# Altium PCB Dahlia Carrier Board.PcbDoc (part 1 of 10) (continued)
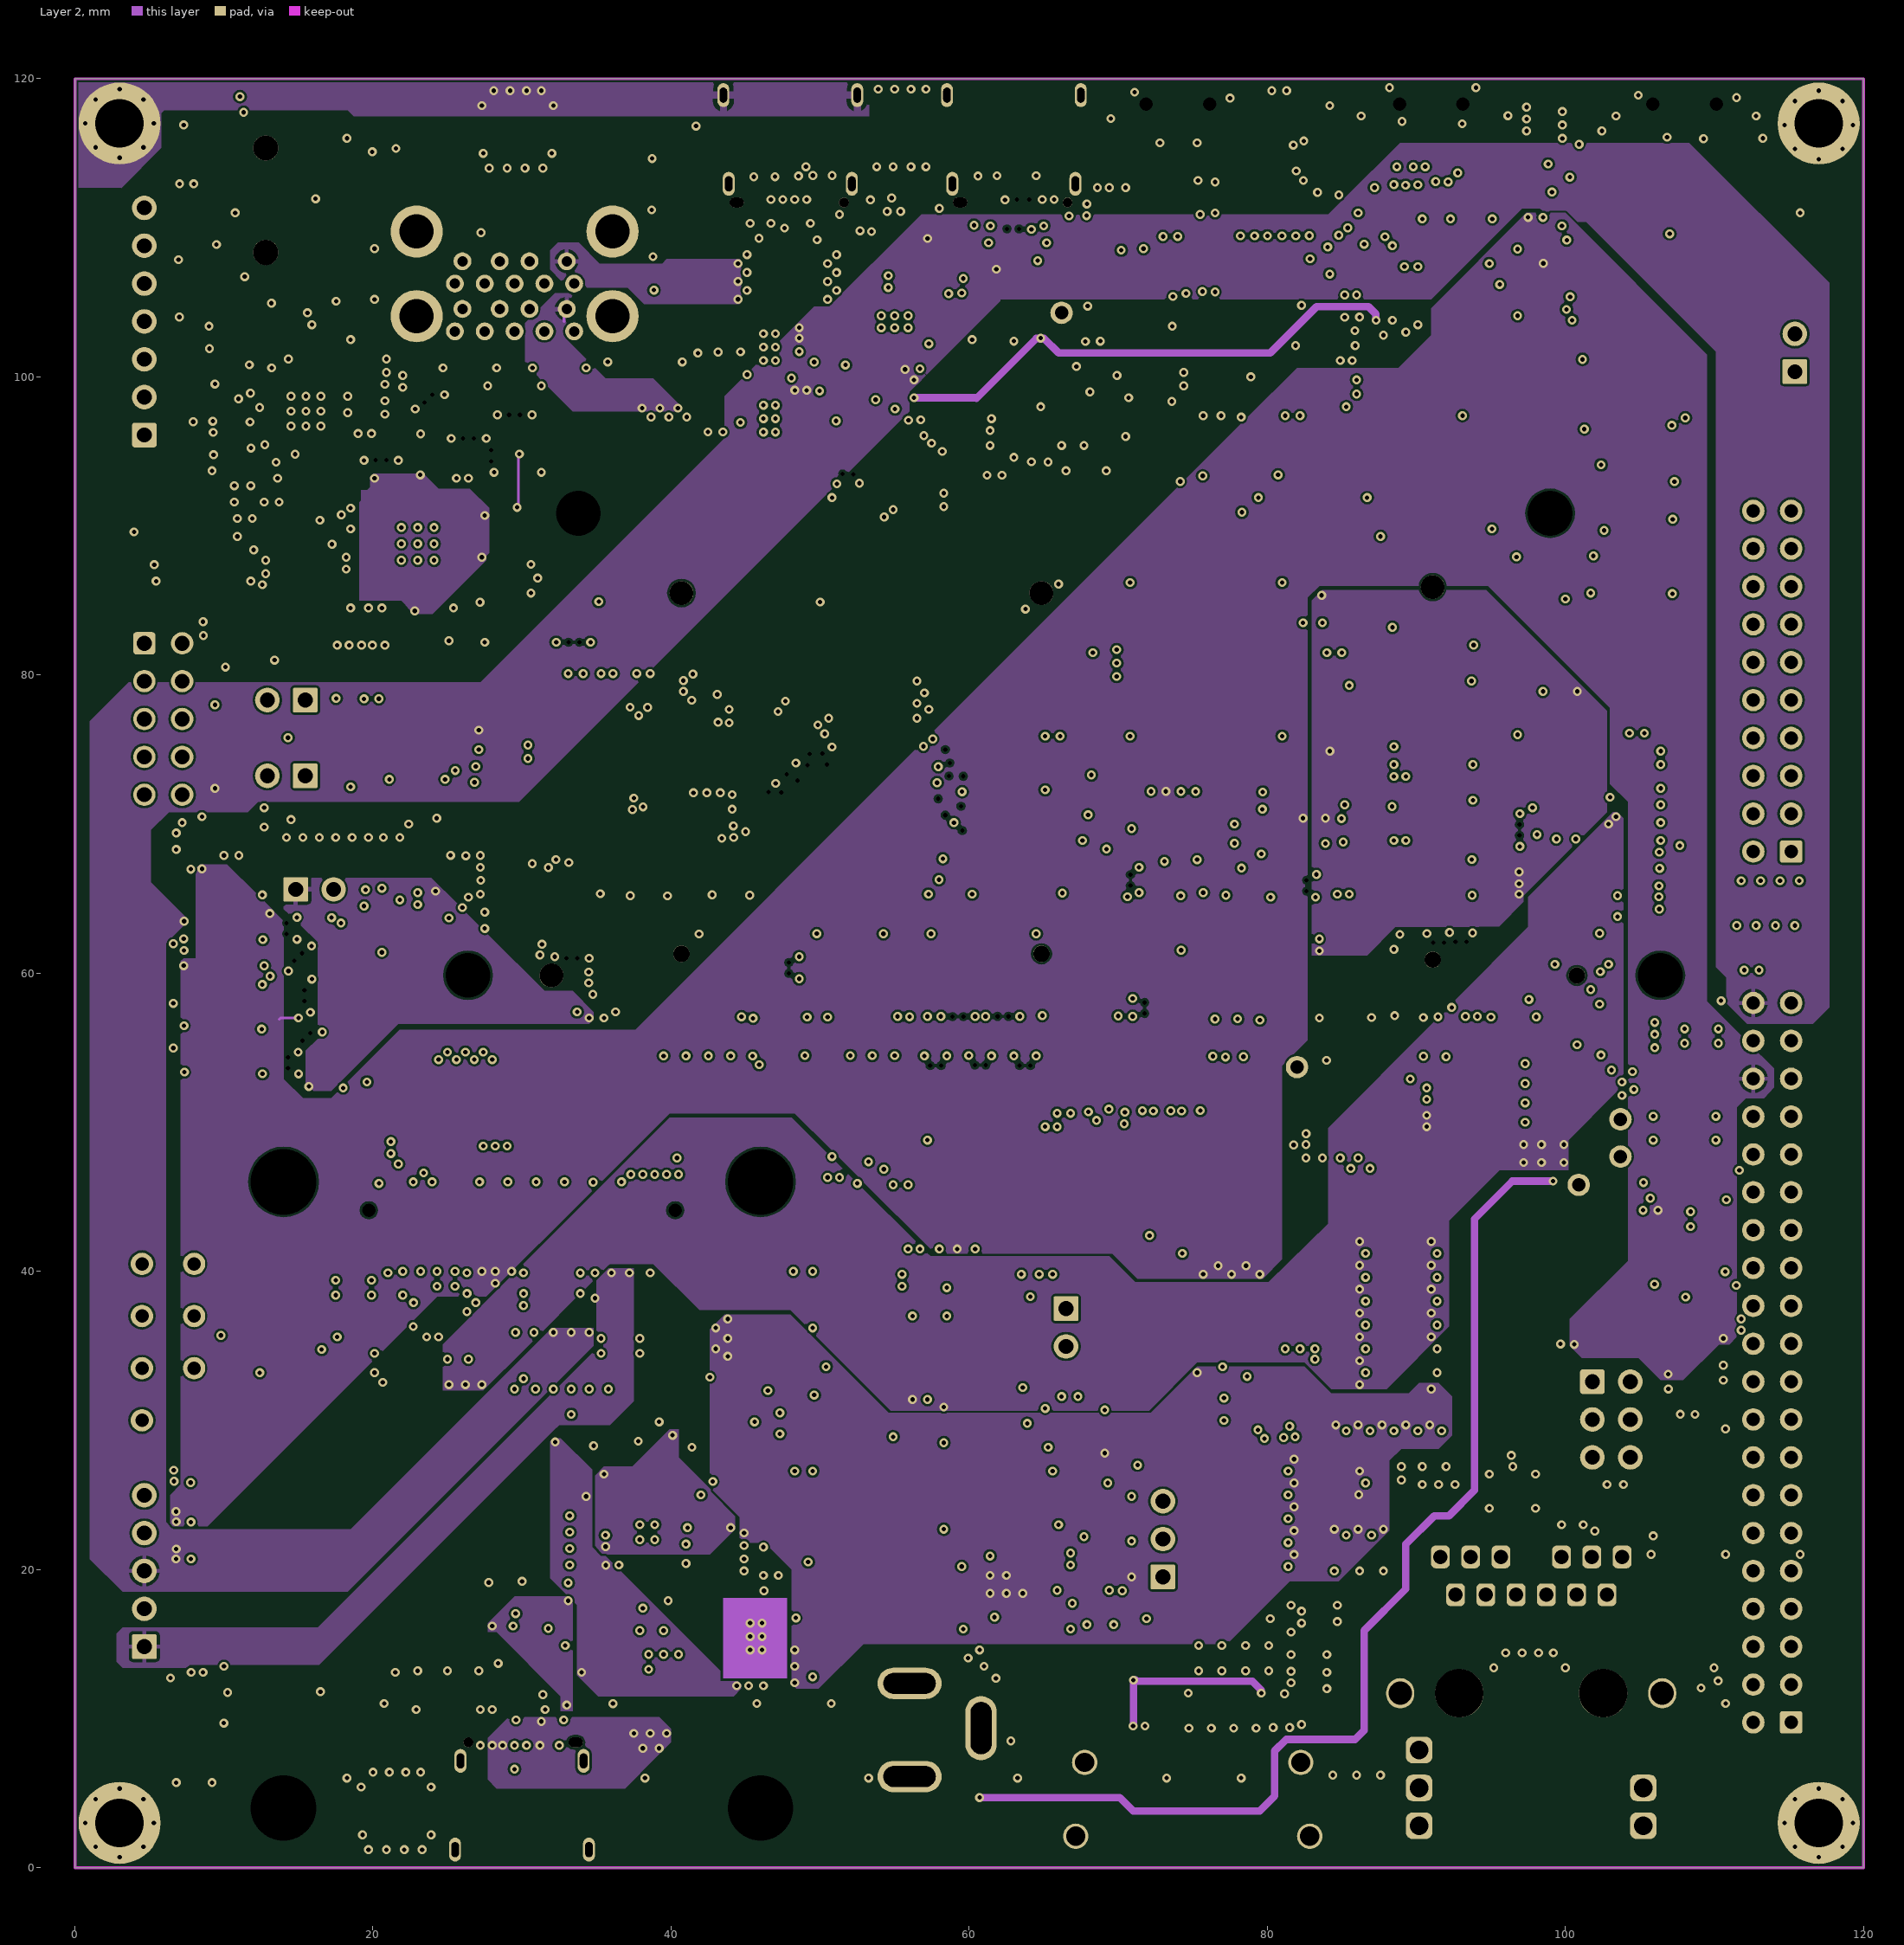
[diagram p4: Layer 2]
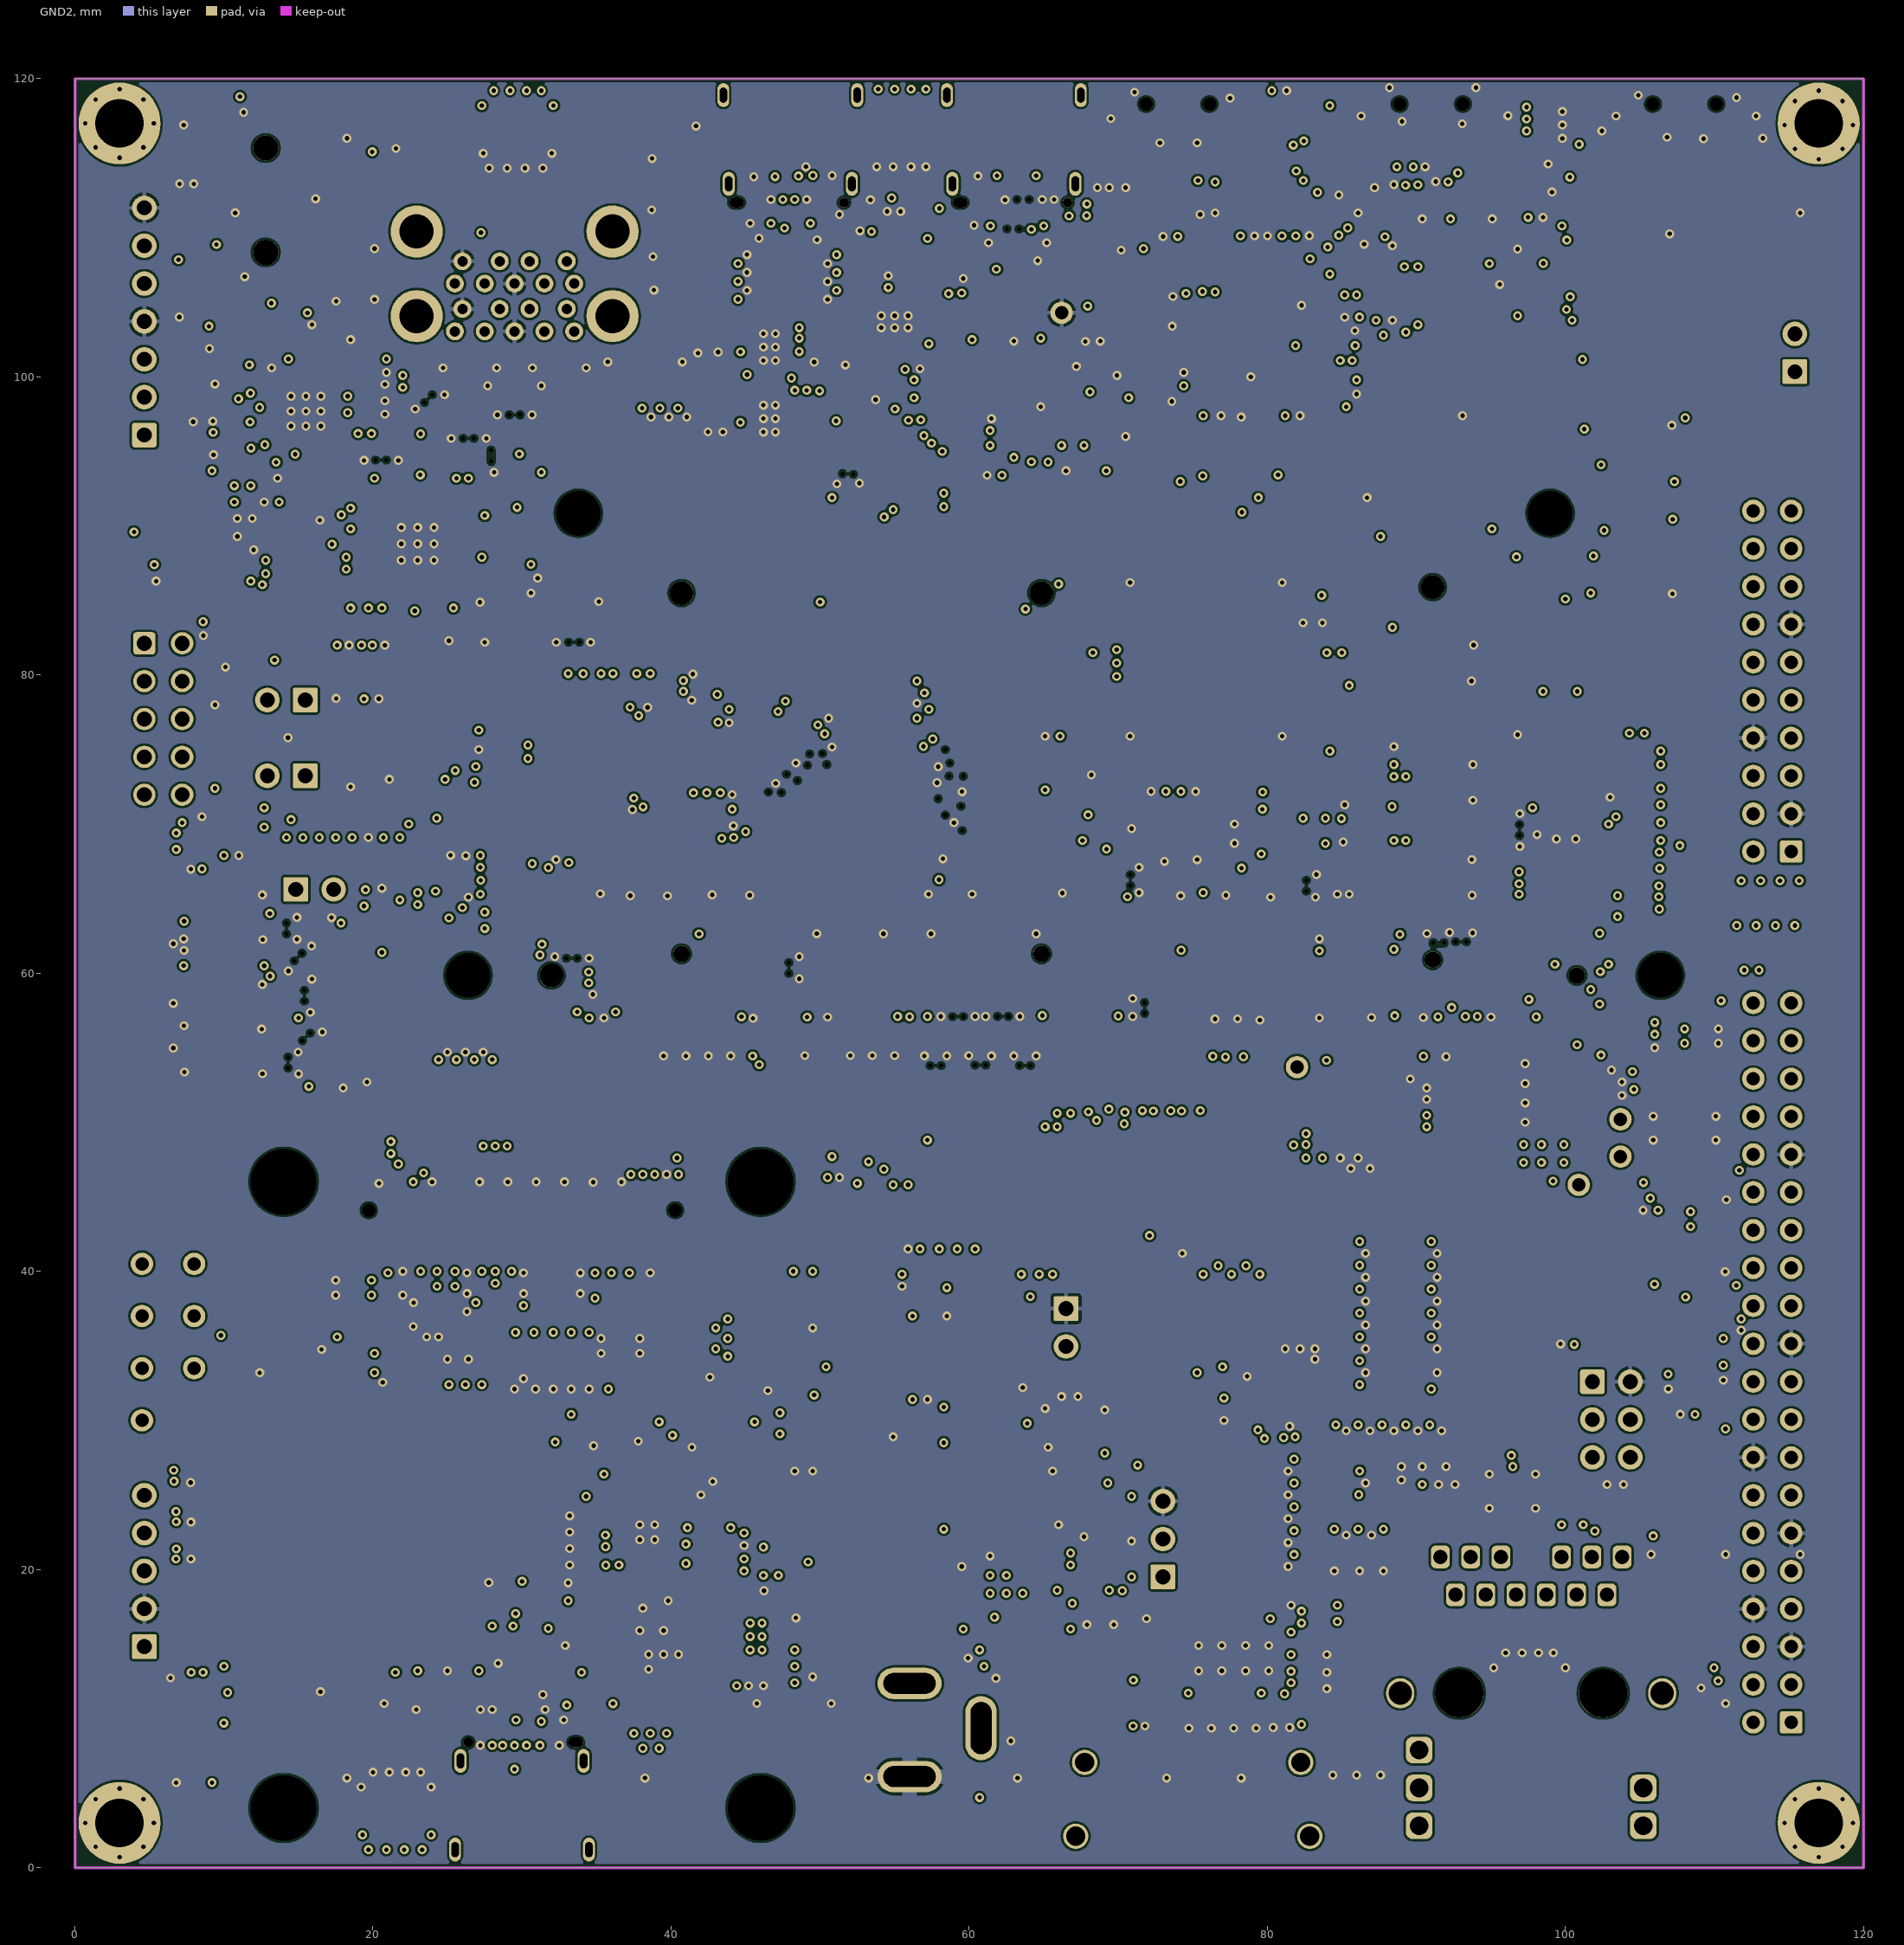
[diagram p5: GND2]

## Layer stack, top to bottom
Top Solder: solder mask 0.02, Solder Resist, Dk 3.8
Top Layer: signal copper 0.035
Dielectric1: prepreg 0.103, 3313, Dk 4.19
GND: signal copper 0.028
Dielectric 1: core 0.508, FR-4, Dk 4.47
Layer 1: signal copper 0.028
Dielectric 2: prepreg 0.077, 1080, Dk 3.91
Dielectric 3: prepreg 0.077, 1080, Dk 3.91
Layer 2: signal copper 0.028
Dielectric2: core 0.508, FR-4, Dk 4.47
GND2: signal copper 0.028
Dielectric3: prepreg 0.103, 3313, Dk 4.19
Bottom Layer: signal copper 0.035
Bottom Solder: solder mask 0.02, Solder Resist, Dk 3.8

## Board outline
0,0 0,120 120,120 120,0

## Design rules (kind name [scope] priority, off if disabled: settings)
Clearance Clearance_Keepout_ExcluDedComponents [OnLayer('Keep-Out Layer') vs IsPad] p1: gap=0 ignorepadtopadclearanceinfootprint=FALSE
Clearance Clearance_AdapterHoles [InComponentClass('AdapterHoles')] p2: gap=0.15 ignorepadtopadclearanceinfootprint=FALSE except(0.5: SMDPad-THPad THPad-THPad THPad-Fill THPad-Poly THPad-Region)
Clearance ClearancePlaneInner [(OnLayer('GND') OR OnLayer('GND2') OR OnLayer('Layer 1') OR OnLayer('Layer 2'))] p3: gap=0.15 ignorepadtopadclearanceinfootprint=FALSE
Clearance [All] p4: gap=0.127 ignorepadtopadclearanceinfootprint=FALSE except(0.15: Arc-SMDPad Arc-THPad Track-SMDPad Track-THPad)
ComponentClearance [All] p1: gap=0.19 collisioncheckmode=3 verticalgap=0.2 showdistances=FALSE
DiffPairsRouting DiffPairsRouting_55_85 [(InDifferentialPairClass('PCIe'))] p1: maxlimit=0.367 minlimit=0.13 mostfreqgap=0.367 toplayer_maxgap=0.19 toplayer_prefgap=0.13 toplayer_minwidth=0.175 toplayer_maxwidth=0.175 toplayer_prefwidth=0.175 bottomlayer_maxgap=0.19 bottomlayer_prefgap=0.13 bottomlayer_minwidth=0.175 bottomlayer_maxwidth=0.175 bottomlayer_prefwidth=0.175 impedanceprofiledriven=TRUE impedanceprofileid={73FFAC64-1E0F-449B-A42D-ECEF022BBB21} impedanceprofilevalue=85.000000 maxuncoupledlength=10
DiffPairsRouting DiffPairsRouting_55_100 [(InDifferentialPairClass('DSI') or InDifferentialPairClass('CSI') or InDifferentialPairClass('LAN') or InDifferentialPairClass('HDMI'))] p2: maxlimit=0.324 minlimit=0.21 mostfreqgap=0.324 toplayer_maxgap=0.21 toplayer_prefgap=0.21 toplayer_minwidth=0.144 toplayer_maxwidth=0.144 toplayer_prefwidth=0.144 bottomlayer_maxgap=0.21 bottomlayer_prefgap=0.21 bottomlayer_minwidth=0.144 bottomlayer_maxwidth=0.144 bottomlayer_prefwidth=0.144 impedanceprofiledriven=TRUE impedanceprofileid={D3ED0427-65E6-49D4-ABF4-D7A6FDA24636} impedanceprofilevalue=100.000000 maxuncoupledlength=10
DiffPairsRouting DiffPairsRouting_50_90 [(InDifferentialPairClass('USB'))] p3: maxlimit=0.51 minlimit=0.19 mostfreqgap=0.51 toplayer_maxgap=0.19 toplayer_prefgap=0.19 toplayer_minwidth=0.175 toplayer_maxwidth=0.175 toplayer_prefwidth=0.175 bottomlayer_maxgap=0.19 bottomlayer_prefgap=0.19 bottomlayer_minwidth=0.175 bottomlayer_maxwidth=0.175 bottomlayer_prefwidth=0.175 impedanceprofiledriven=TRUE impedanceprofileid={7855E2BA-D15D-41C1-9DEF-1F1256880486} impedanceprofilevalue=90.000000 maxuncoupledlength=10
DiffPairsRouting [All] p4: maxlimit=0.127 minlimit=0.127 mostfreqgap=0.127 toplayer_minwidth=0.127 toplayer_maxwidth=0.127 toplayer_prefwidth=0.127 midlayer1_minwidth=0.127 midlayer1_maxwidth=0.127 midlayer1_prefwidth=0.127 midlayer2_minwidth=0.127 midlayer2_maxwidth=0.127 midlayer2_prefwidth=0.127 midlayer3_minwidth=0.127 midlayer3_maxwidth=0.127 midlayer3_prefwidth=0.127 midlayer4_minwidth=0.127 midlayer4_maxwidth=0.127 midlayer4_prefwidth=0.127 bottomlayer_minwidth=0.127 bottomlayer_maxwidth=0.127 bottomlayer_prefwidth=0.127 maxuncoupledlength=10
FabricationTestPointUsage TestPointUsage [All] p1: valid=0 allowmultiple=FALSE
FabricationTestpoint Testpoint [All] p1: side=3 testpointundercomponent=TRUE minsize=1.016 maxsize=2.54 preferedsize=1.524 minholesize=0 maxholesize=1.016 preferedholesize=0.813 testpointgrid=0.025 allowsidetop=TRUE allowsidebottom=TRUE usegrid=TRUE gridtolerance=0
Height [All] p1: minheight=0 maxheight=40 prefheight=12.7
HoleSize [All] p1: absolutevalues=TRUE maxlimit=4.8 minlimit=0.025 maxpercent=80.000 minpercent=20.000
MinimumSolderMaskSliver [All] p1: minsoldermaskwidth=0
NetAntennae [All] p1: netantennaetolerance=2
PlaneClearance [All] p1: clearance=0.25
PlaneConnect PlaneConnect_Direct [IsVia] p1: planeconnectstyle=Direct reliefexpansion=0.508 reliefentries=4 reliefconductorwidth=0.254 reliefairgap=0.254
PlaneConnect [All] p2: planeconnectstyle=Relief reliefexpansion=0.3 reliefentries=4 reliefconductorwidth=0.3 reliefairgap=0.15
PolygonConnect PolygonConnect_PowerConnector [HasFootprint('T_RAPC722X') AND InNet('GND')] p1: connectstyle=Relief reliefconductorwidth=1 reliefentries=4 polygonreliefangle="90 Angle" airgapwidth=0.2
PolygonConnect PolygonConnect_ChassisConnectors [HasFootprint('CON-AMPHENOL-12401598E4#2A') OR HasFootprint('T_FCI_10029449-111RLF') OR HasFootprint('CON-LINK-PP-LPJK7436A98NL')] p2: connectstyle=Relief reliefconductorwidth=0.5 reliefentries=4 polygonreliefangle="90 Angle" airgapwidth=0.3
PolygonConnect PolygonConnect_Chassis [InNet('GND_CHASSIS') vs InNet('GND_CHASSIS')] p3: connectstyle=Direct reliefconductorwidth=0.254 reliefentries=4 polygonreliefangle="90 Angle" airgapwidth=0.254
PolygonConnect PolygonConnect_AdapterHoles [InComponentClass('AdapterHoles')] p4: connectstyle=Direct reliefconductorwidth=0.254 reliefentries=4 polygonreliefangle="90 Angle" airgapwidth=0.254
PolygonConnect PolygonConnect_TH_Pin [IsThruPin] p5: connectstyle=Relief reliefconductorwidth=0.3 reliefentries=4 polygonreliefangle="90 Angle" airgapwidth=0.2
PolygonConnect [All] p6: thpad.connectstyle=Relief thpad.reliefconductorwidth=0.3 thpad.reliefentries=4 thpad.polygonreliefangle="90 Angle" thpad.airgapwidth=0.254 smdpad.connectstyle=Direct smdpad.reliefconductorwidth=0.3 smdpad.reliefentries=4 smdpad.polygonreliefangle="90 Angle" smdpad.airgapwidth=0.254 via.connectstyle=Direct via.reliefconductorwidth=0.3 via.reliefentries=4 via.polygonreliefangle="90 Angle" via.airgapwidth=0.254
RoutingVias [All] p1: holewidth=0.3 width=0.6 viastyle="Through Hole" minholewidth=0.3 minwidth=0.6 maxholewidth=0.3 maxwidth=0.6
SilkToSilkClearance [All] p1: silktosilkclearance=0.05
SilkToSolderMaskClearance SilkToSolderMaskClearance_FootprintException [HasFootprint('T_PANASONIC_EXC14CH120U')] p1: minsilkscreentomaskgap=0.02 clearancetoexposedcopper=TRUE
SilkToSolderMaskClearance SilkscreenOverComponentPads [IsPad] p2: minsilkscreentomaskgap=0.05 clearancetoexposedcopper=TRUE
SolderMaskExpansion [All] p1: expansion=0 istentingtop=FALSE
Width "Single Ended_50" [InNetClass('50Ohm')] p1: maxlimit=0.502 minlimit=0.175 preferedwidth=0.502 toplayer_maxwidth=0.175 toplayer_prefwidth=0.175 bottomlayer_maxwidth=0.175 bottomlayer_prefwidth=0.175 impedanceprofiledriven=TRUE impedanceprofileid={A9CB0D10-C472-4C7D-AF8D-DAC318967260} impedanceprofilevalue=50.000000 minimp=50.000000 maximp=50.000000 favimp=50.000000
Width "Single Ended_55" [InNetClass('55Ohm')] p2: maxlimit=0.501 minlimit=0.144 preferedwidth=0.411 impedanceprofiledriven=TRUE impedanceprofileid={961E7AA0-BB9D-44D8-92FA-3C2F482F4EBE} impedanceprofilevalue=55.000000 minimp=50.000000 maximp=50.000000 favimp=50.000000
Width Power [InNet('1.8V__CAN_1_PWR_EN')] p3: maxlimit=3 minlimit=0.2 preferedwidth=0.3
Width [All] p4: maxlimit=1 minlimit=0.15 preferedwidth=0.502 toplayer_prefwidth=0.175 bottomlayer_prefwidth=0.175 impedanceprofiledriven=TRUE impedanceprofileid={A9CB0D10-C472-4C7D-AF8D-DAC318967260} impedanceprofilevalue=50.000000 minimp=50.000000 maximp=50.000000 favimp=50.000000
18 further rules are at their usual default settings.

## Classes and differential pairs
differential pair class DSI: DSI_1_CLK DSI_1_D0 DSI_1_D1 DSI_1_D2 DSI_1_D3
net class 50Ohm: ADC_1 ADC_2 ADC_3 ADC_4 CSI_1_MCLK FTDI_JTAG_TCK FTDI_JTAG_TDI FTDI_JTAG_TDO FTDI_JTAG_TMS FTDI_JTAG_TRST# GPIO_1 GPIO_2 GPIO_3 GPIO_4 GPIO_5_CSI GPIO_5_R GPIO_6_CSI GPIO_6_R GPIO_7_CSI GPIO_7_R GPIO_8_CSI GPIO_8_R HDMI_1_CEC HDMI_1_HPD I2S_1_BCLK I2S_1_D_IN I2S_1_D_OUT I2S_1_MCLK I2S_1_SYNC I2S_2_BCLK I2S_2_D_IN I2S_2_D_OUT I2S_2_SYNC JTAG_1_TCK JTAG_1_TDI JTAG_1_TDO JTAG_1_TMS JTAG_1_TRST# PWM_1 PWM_2 QSPI_1_CLK QSPI_1_CS2# QSPI_1_CS# QSPI_1_DQS QSPI_1_IO0 QSPI_1_IO1 QSPI_1_IO2 QSPI_1_IO3 SD_1_CD# SD_1_CLK SD_1_CMD SD_1_D0 SD_1_D1 SD_1_D2 SD_1_D3 SD_1_PWR_EN SODIMM_2_M SODIMM_4_M SODIMM_6_M SODIMM_8_M SODIMM_15_M SODIMM_16_M SODIMM_30_M SODIMM_32_M SODIMM_34_M SODIMM_36_M SODIMM_38_M SODIMM_42_M SODIMM_44_M SODIMM_46_M SODIMM_48_M SODIMM_52_M SODIMM_54_M SODIMM_56_M SODIMM_58_M SODIMM_60_M SODIMM_61_M SODIMM_62_M SODIMM_63_M SODIMM_64_M SODIMM_66_M SODIMM_70_M SODIMM_72_M SODIMM_74_M SODIMM_76_M SODIMM_78_M SODIMM_80_M SODIMM_82_M SODIMM_84_M SODIMM_91_M SODIMM_129_M SODIMM_131_M SODIMM_133_M SODIMM_135_M SODIMM_137_M SODIMM_139_M SODIMM_141_M SODIMM_143_M SODIMM_196_M SODIMM_198_M SODIMM_200_M SODIMM_202_M SODIMM_206_M SODIMM_208_M SODIMM_210_M SODIMM_212_M SODIMM_216_M SODIMM_218_M SODIMM_220_M SODIMM_222_M SPI_1_CLK SPI_1_CS SPI_1_MISO SPI_1_MOSI UART_1_CTS UART_1_RTS UART_1_RXD UART_1_TXD UART_2_CTS UART_2_RTS UART_2_RXD UART_2_TXD UART_3_RXD_R UART_3_TXD_R UART_4_RXD_R UART_4_TXD_R
differential pair class HDMI: HDMI_1_TXC HDMI_1_TXC_CON HDMI_1_TXC_L HDMI_1_TXD0 HDMI_1_TXD0_CON HDMI_1_TXD0_L HDMI_1_TXD1 HDMI_1_TXD1_CON HDMI_1_TXD1_L HDMI_1_TXD2 HDMI_1_TXD2_CON HDMI_1_TXD2_L
net class HDMI_CTRL[0..3]: HDMI_CTRL0 HDMI_CTRL1 HDMI_CTRL2 HDMI_CTRL3
net class HDMI1[0..7]: HDMI10 HDMI11 HDMI12 HDMI13 HDMI14 HDMI15 HDMI16 HDMI17
component class HDMI: C7 C8 C9 C10 C151 C152 C185 D22 IC2 L12 L38 L39 L40 R6 R9 R10 R11 R12 R96 R347 R348 RA11 X21
net class USBH4[0..1]: USBH40 USBH41
net class USBH3[0..6]: USBH30 USBH31 USBH32 USBH33 USBH34 USBH35 USBH36
net class USBH2[0..6]: USBH20 USBH21 USBH22 USBH23 USBH24 USBH25 USBH26
net class UART_1_2[0..7]: UART_1_20 UART_1_21 UART_1_22 UART_1_23 UART_1_24 UART_1_25 UART_1_26 UART_1_27
net class SD_1[0..9]: SD_10 SD_11 SD_12 SD_13 SD_14 SD_15 SD_16 SD_17 SD_18 SD_19
net class PCIE1[0..5]: PCIE10 PCIE11 PCIE12 PCIE13 PCIE14 PCIE15
net class I2S_2[0..3]: I2S_20 I2S_21 I2S_22 I2S_23
net class I2S_1[0..4]: I2S_10 I2S_11 I2S_12 I2S_13 I2S_14
net class I2C_1[0..1]: I2C_10 I2C_11
net class CSI_1[0..9]: CSI_10 CSI_11 CSI_12 CSI_13 CSI_14 CSI_15 CSI_16 CSI_17 CSI_18 CSI_19
net class CAN_2[0..1]: CAN_20 CAN_21
net class CAN_1[0..1]: CAN_10 CAN_11
net class DSI_1[0..9]: DSI_10 DSI_11 DSI_12 DSI_13 DSI_14 DSI_15 DSI_16 DSI_17 DSI_18 DSI_19
net class SYS_PWR_CTRL[0..2]: SYS_PWR_CTRL0 SYS_PWR_CTRL1 SYS_PWR_CTRL2
component class Power_Poly: C81 C83 C84 C85 C86 C87 C89 C90 C111 C118 C119 C120 C121 C122 C123 L14 L16 L17 L18 L19 L20 L48 R135 R167 T11 T15
differential pair class CSI: CSI_1_CLK CSI_1_CLK_CON CSI_1_D0 CSI_1_D0_CON CSI_1_D1 CSI_1_D1_CON CSI_1_D2 CSI_1_D2_CON CSI_1_D3 CSI_1_D3_CON DSI_1_CLK_CON DSI_1_D0_CON DSI_1_D1_CON DSI_1_D2_CON DSI_1_D3_CON
differential pair class USB: USB_1_D USB_1_D_CON USB_2_D USB_2_SSRX USB_2_SSRX_C USB_2_SSTX USB_DBG USB_DBG_CON USBH2_D USBH2_D_CON USBH2_SSRX USBH2_SSRX_CON USBH2_SSTX USBH2_SSTX_C USBH2_SSTX_CON USBH3_D USBH3_D_CON USBH3_SSRX USBH3_SSRX_CON USBH3_SSTX USBH3_SSTX_C USBH3_SSTX_CON USBH4_D
differential pair class PCIe: PCIE_1_CLK PCIE_1_L0_RX PCIE_1_L0_TX
differential pair class LAN: ETH_1_MDI0 ETH_1_MDI1 ETH_1_MDI2 ETH_1_MDI3 ETH_2_MDI0 ETH_2_MDI1 ETH_2_MDI2 ETH_2_MDI3
net class Power: DCDC1_VCC
net class FTDI_JTAG_3.3V[0..4]: FTDI_JTAG_3.3V0 FTDI_JTAG_3.3V1 FTDI_JTAG_3.3V2 FTDI_JTAG_3.3V3 FTDI_JTAG_3.3V4
net class FTDI_JTAG[0..4]: FTDI_JTAG0 FTDI_JTAG1 FTDI_JTAG2 FTDI_JTAG3 FTDI_JTAG4
net class FTDI_GPIO_3.3V[0..3]: FTDI_GPIO_3.3V0 FTDI_GPIO_3.3V1 FTDI_GPIO_3.3V2 FTDI_GPIO_3.3V3
net class USB_SOM[0..7]: USB_SOM0 USB_SOM1 USB_SOM2 USB_SOM3 USB_SOM4 USB_SOM5 USB_SOM6 USB_SOM7
net class USB_OTG[0..5]: USB_OTG0 USB_OTG1 USB_OTG2 USB_OTG3 USB_OTG4 USB_OTG5
net class SYSTEM_CTRL[0..8]: SYSTEM_CTRL0 SYSTEM_CTRL1 SYSTEM_CTRL2 SYSTEM_CTRL3 SYSTEM_CTRL4 SYSTEM_CTRL5 SYSTEM_CTRL6 SYSTEM_CTRL7 SYSTEM_CTRL8
net class SPI[0..3]: SPI0 SPI1 SPI2 SPI3
net class SOM_CAM_1_CTRL[0..2]: SOM_CAM_1_CTRL0 SOM_CAM_1_CTRL1 SOM_CAM_1_CTRL2
net class PWM[0..1]: PWM0 PWM1
net class JTAG[0..4]: JTAG0 JTAG1 JTAG2 JTAG3 JTAG4
net class I2C_2_DSI[0..1]: I2C_2_DSI0 I2C_2_DSI1
net class FTDI_DEBUG_UART[0..3]: ETH_2_MDI0 ETH_2_MDI1 ETH_2_MDI2 ETH_2_MDI3 ETH_2_MDI4 ETH_2_MDI5 ETH_2_MDI6 ETH_2_MDI7 ETH_2_MDI8 ETH_2_MDI9
net class ETH_1_MDI[0..9]: ETH_1_MDI0 ETH_1_MDI1 ETH_1_MDI2 ETH_1_MDI3 ETH_1_MDI4 ETH_1_MDI5 ETH_1_MDI6 ETH_1_MDI7 ETH_1_MDI8 ETH_1_MDI9
net class EE[0..2]: EE0 EE1 EE2
net class DSI_CTRL[0..2]: DSI_CTRL0 DSI_CTRL1 DSI_CTRL2
component class USB_Debug: C196 C197 C198 C199 C200 C201 C202 C203 C204 C205 C206 C207 C208 C209 C210 C212 C213 C214 C215 C216 C217 C218 C219 C220 C221 C222 C223 C224 D48 D49 D50 D51 D52 IC33 IC34 IC35 IC36 IC37 IC38 JP6 L43 L44 L45 L47 LED23 LED24 LED25 LED26 LED27 LED28 OSC2 R245 R293 R294 R295 R296 R297 R298 R300 R301 R302 R303 R306 R307 R308 R309 R310 R311 R314 R315 R316 R317 R318 R319 R320 R321 R322 R323 R324 R325 R326 R327 R328 R330 R331 RA18 T37 X18
component class EEPROM: C187 C188 C299 IC30 IC50 R88 R117 R263 R264 R265 R266 R267 R268 R269 R406 R407 R408 R409 R410 R411 TP1
component class MIPI-DSI: C232 C233 C234 C235 C236 R289 R290 R291 R292 RA13 RA14 X17
component class PWM_QSPI_SPI_ADC_UART_GPIO_I2C: RA7 RA8 RA15 RA16 RA17 RA19 RA20 RA23 TP18
component class SDCard: C96 C97 C98 C99 C100 D28 D29 IC17 LED7 R66 R127 R128 R351 R352 R353 R354 RA5 RA6 T40 TP21 X7
component class Power_Supply: BAT1 C61 C95 C104 C105 C106 C107 C108 C109 C110 C111 C112 C113 C114 C115 C116 C117 C118 C119 C120 C121 C122 C123 C124 C125 C126 C127 C128 C129 C130 C131 C132 C225 C226 C227 C247 C248 C249 C250 C251 C252 C253 C254 C255 C256 C257 C258 C259 C260 C261 C262 C263 C264 D24 D26 D30 D31 D32 D33 IC18 IC19 IC20 IC21 IC22 IC23 IC24 JP4 L20 L48 LED8 LED10 LED11 LED12 LED13 LED14 LED15 LED16 LED17 LED22 LED29 R44 R48 R77 R81 R108 R134 R135 R136 R137 R138 R139 R140 R141 R142 R143 R144 R145 R146 R149 R150 R152 R153 R154 R155 R156 R157 R158 R159 R160 R161 R162 R163 R164 R165 R166 R167 R169 R170 R171 R173 R175 R176 R177 R178 R179 R180 R181 R182 R183 R184 R185 R186 R187 R188 R189 R190 R191 R192 R193 R194 R195 R196 T8 T17 T18 T19 T20 T21 T23 T25 T26 T27 T29 TP4 TP5 TP6 TP7 TP8 TP10 TP11 TP12 TP19 TP20 X6 X9 X10
component class Power_Switch: C57 C62 C63 C64 C65 C66 C67 C68 C69 C70 C71 C72 C73 C74 C76 C77 C78 C79 C80 C81 C82 C83 C84 C85 C86 C87 C88 C92 C93 C94 C101 C102 C103 C240 C241 C242 C243 C244 C245 C246 C265 C266 C267 C268 C269 C270 C271 C272 D20 D21 D23 D25 D27 IC9 IC10 IC11 IC12 IC13 IC14 IC15 JP3 JP7 L14 L15 L16 L18 L19 L21 LED1 LED6 R67 R68 R69 R70 R71 R72 R73 R74 R75 R76 R78 R79 R80 R82 R83 R84 R85 R86 R87 R89 R90 R91 R92 R93 R94 R95 R97 R99 R100 R101 R102 R103 R105 R109 R112 R113 R114 R115 R116 R118 R119 R120 R121 R123 R124 R125 R126 R147 R247 RA3 RA4 SW1 SW2 SW3 SW4 SW5 SW6 T6 T9 T10 T11 T12 T13 T14 T15 T16 X5
component class CAN: C1 C2 C3 C4 C6 IC1 JP1 JP2 R1 R3 R4 R5 R7 R8 R43 R56 R57 R60 RA1 T2 X2
component class MIPI-CSI: C189 C190 C191 C192 C193 C194 C195 D42 D43 D44 D45 D46 D47 IC31 IC32 L33 L34 L35 L36 L37 R270 R271 R272 R273 R274 R275 R278 R279 R280 R281 R282 R283 R284 R285 R287 RA22 X16
component class Audio: C153 C154 C155 C156 C157 C158 C159 C161 C162 C164 C165 C166 C167 C168 C169 C170 C171 C172 C173 C174 C175 C176 C177 C178 C179 C180 C181 C182 C183 C184 C229 D39 D40 D41 IC27 L23 L24 L25 L26 L27 L28 L29 L30 L31 R104 R242 R243 R249 R250 R251 R252 R253 R254 R255 R256 R257 RA9 RA10 X14 X15
component class PCI_Express: C139 C140 C141 C142 C143 C144 C145 C146 C147 C148 C149 C150 C230 C231 D38 IC25 IC26 L3 L8 L22 LED18 LED19 LED20 LED21 R2 R208 R209 R210 R211 R212 R213 R214 R217 R219 R220 R221 R222 R223 R224 R225 R226 R227 R228 R229 R230 R231 R232 R233 R234 R235 R236 R237 R238 R239 T31 T32 T33 T34 X12 X13
component class Extension: R333 R334 R335 R336 R339 R340 R341 R342 R343 R344 R345 R346 X19 X20
component class USB_Connectors: C11 C12 C13 C14 C15 C16 C17 C18 C19 C20 C21 C22 C23 C24 C25 C26 C58 C186 C237 C238 C239 C273 C302 C303 C304 C305 C306 C307 C308 C309 C310 C311 C312 D1 D2 D3 D4 D5 D6 D7 D8 D9 D10 D11 D12 D13 D14 D15 D16 D17 IC3 IC4 IC5 IC6 L1 L2 L4 L5 L6 L7 L9 L10 L11 L13 L50 L51 L52 L53 L54 L56 L57 L58 L59 L60 L61 L63 L64 L65 LED2 LED3 LED4 R13 R14 R15 R16 R17 R18 R19 R20 R21 R22 R23 R24 R25 R26 R27 R28 R29 R65 R98 R111 R350 TP13 TP14 TP15 TP16 TP17 X3 X4
component class USB_Hub: C27 C28 C29 C30 C31 C32 C33 C34 C35 C36 C37 C38 C39 C40 C41 C42 C43 C44 C45 C46 C47 C48 C49 C50 C51 C52 C53 C54 C55 C56 C59 C60 C89 C90 C91 D18 D19 IC7 IC8 IC16 L17 LED5 OSC1 R30 R31 R32 R33 R34 R35 R36 R37 R38 R39 R40 R41 R42 R45 R46 R47 R49 R50 R51 R52 R53 R54 R55 R58 R59 R61 R62 R63 R64 R106 R107 R110 RA2 T1 T3 T5
component class JTAG: R129 R130 R131 R132 R133 X1 X8
component class Ethernet: C133 C134 C135 C136 C137 C138 C228 D36 D37 R204 R205 R206 R207 X11
component class Mechanical: MECH1 MECH2 MECH3 MECH4 MECH5 MECH6 MECH7 MECH8 MECH9 MECH12 MECH13 MECH14 MECH15 MECH16 MECH17 MECH18 MECH19 MECH20 MECH21 MECH22 MECH23 MECH24 MECH25 MECH26 MECH27 MECH28
differential pair DSI_1_D3: +DSI_1_D3_P -DSI_1_D3_N
differential pair DSI_1_D2: +DSI_1_D2_P -DSI_1_D2_N
differential pair DSI_1_D1: +DSI_1_D1_P -DSI_1_D1_N
differential pair DSI_1_D0: +DSI_1_D0_P -DSI_1_D0_N